# Altium PCB HIVE_BOARD_PCB ASCII REV Project_PCB_Rev.Project_SCH_Rev.PcbDoc (part 9 of 9)
Units mm, origin at the board's own origin, x right, y up, seen from the top; angles counter-clockwise.
Board outline 110 x 110 mm, 8 copper layers (Top, GND_1, Signal_1, GND_2, PWR, Signal_2, GND_3, Bottom), stack 1.6 mm thick; 674 components, 473 nets, 2528 pads, 2100 vias.
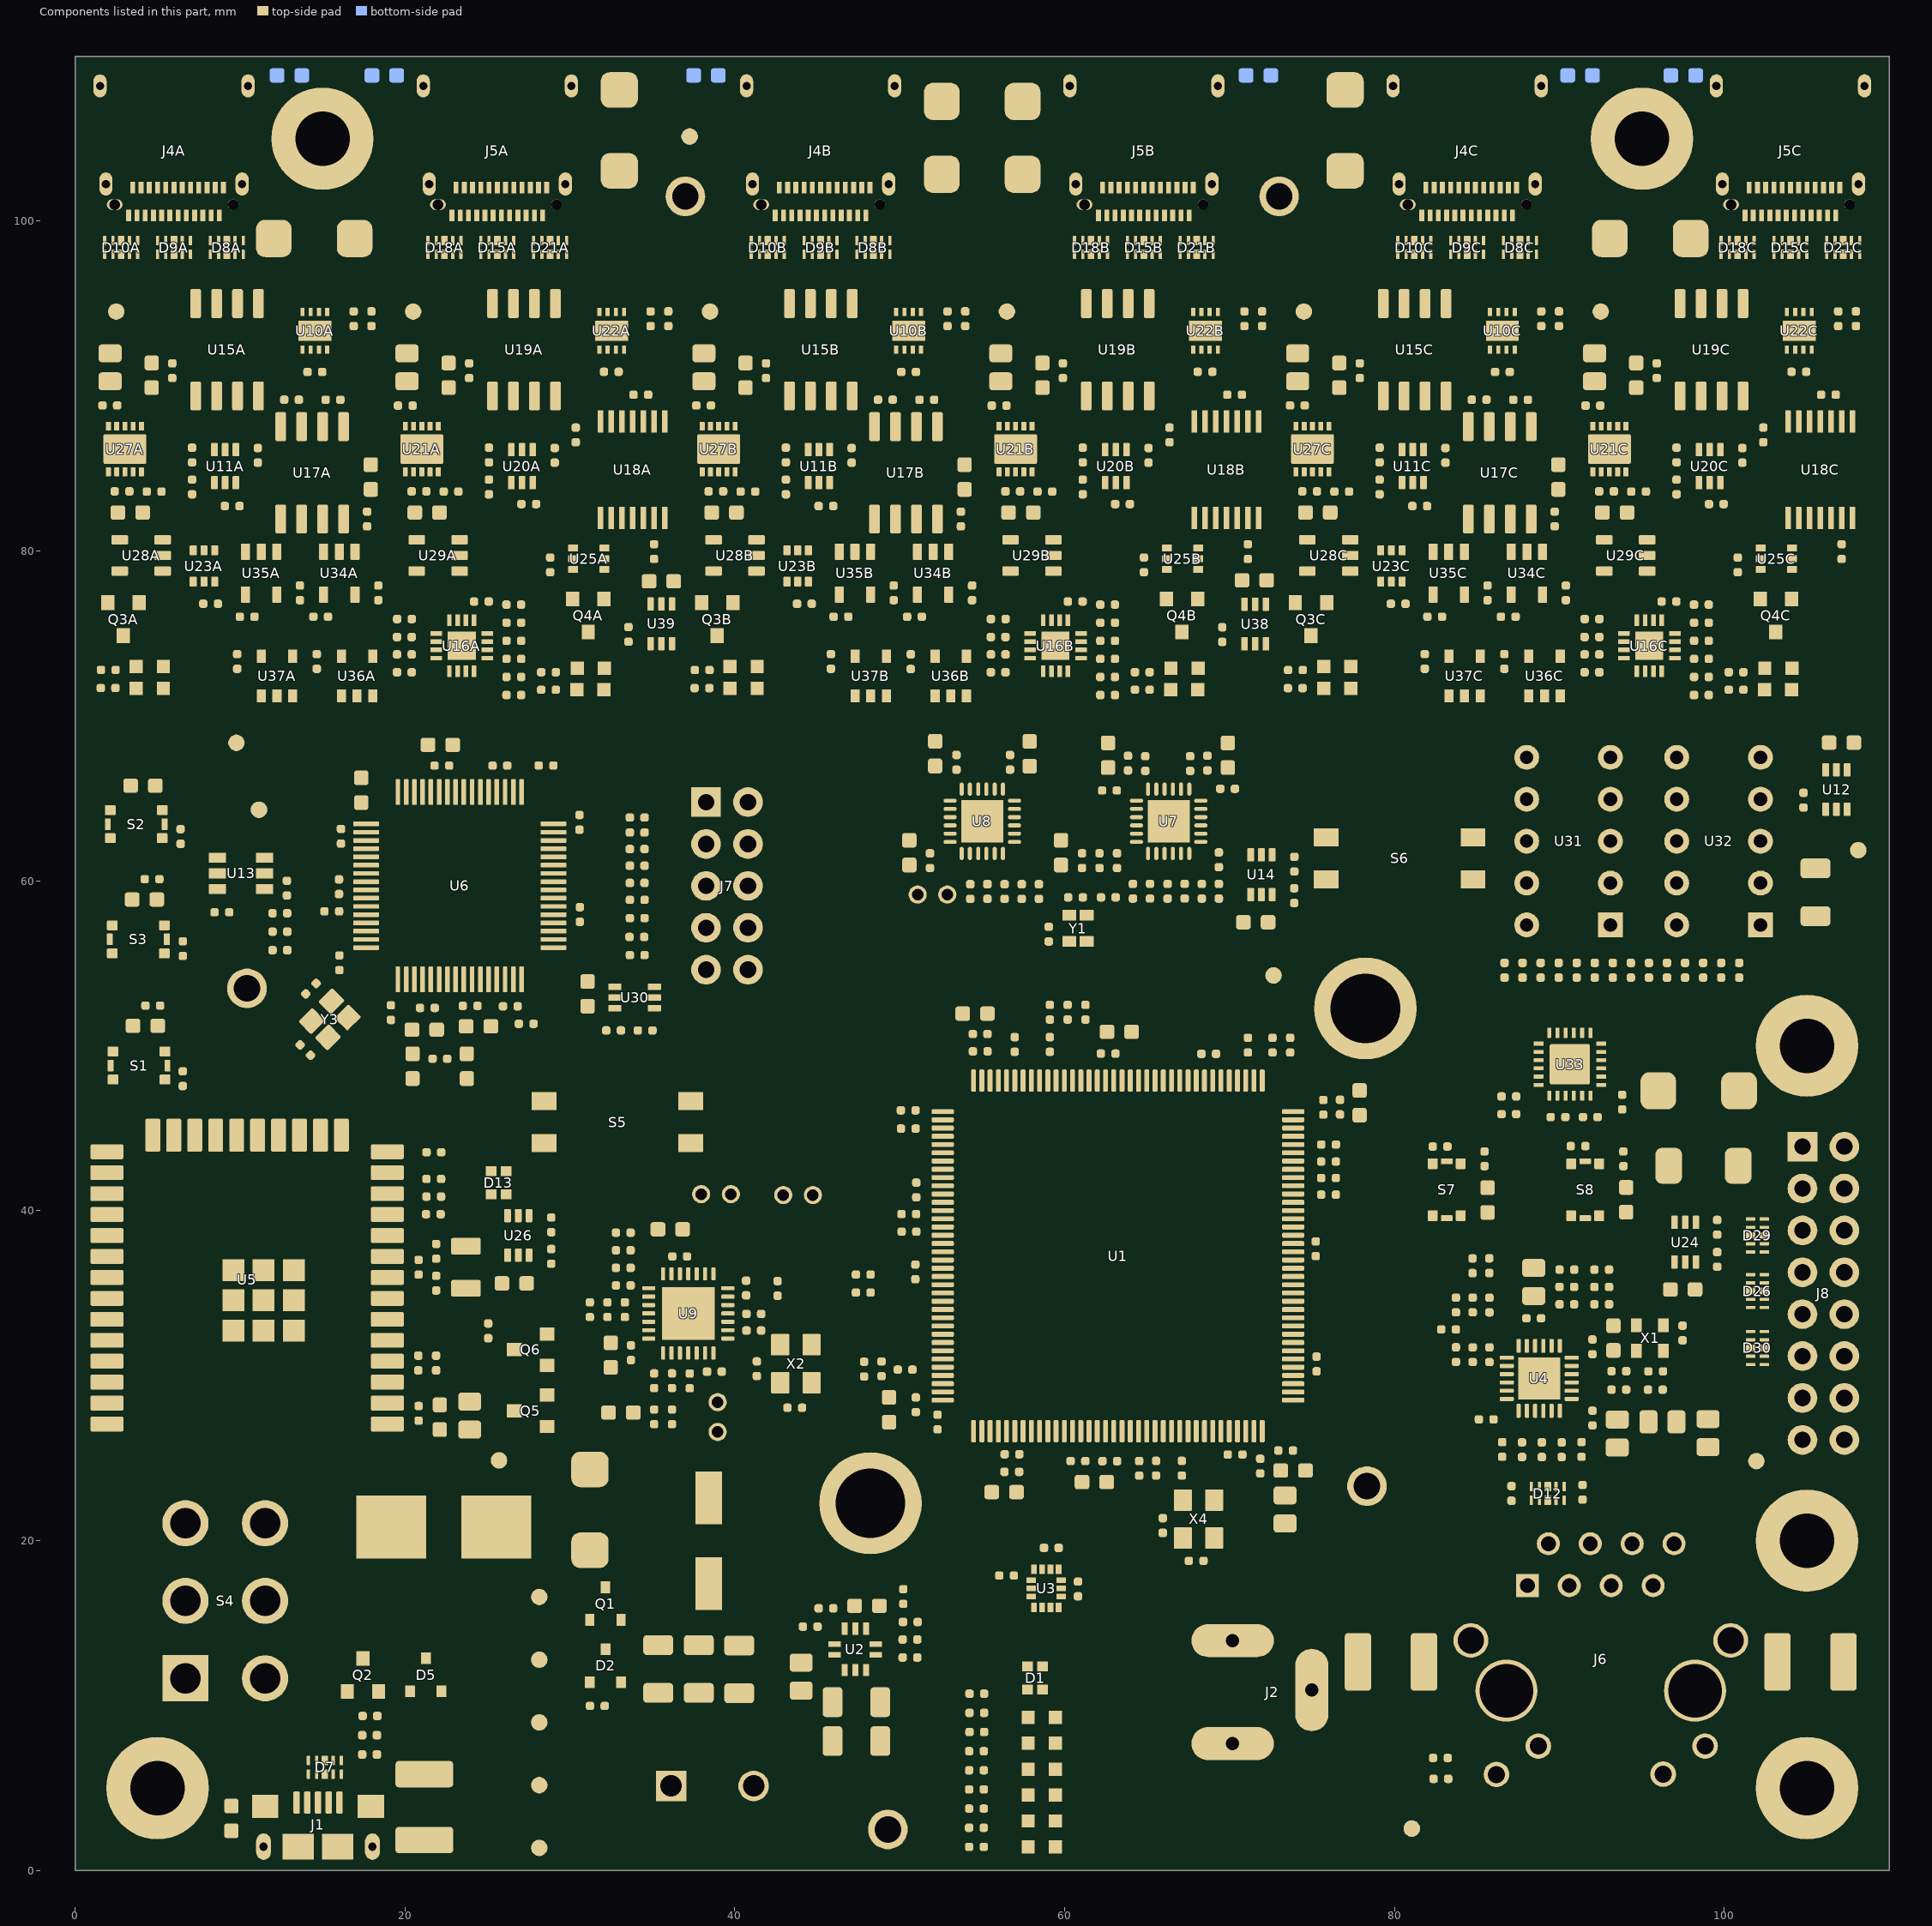
[diagram p15: the components of this part, seen from the top]

## Polygon pours and split planes (outlines as drawn) (continued)
GND on Top "NONET_L-01_P-001" (solid, pour order 659): 70.455,68.938 67.323,68.938 67.323,67.158 69.084,67.158 69.406,67.479 70.455,67.479
3V3_CL on Top "NONET_L-01_P-001" (solid, pour order 658): 67.304,65.109 69.889,65.109 69.889,66.015 71.167,66.015 71.167,67.361 69.561,67.361 69.228,67.028 67.304,67.028 67.304,66.088
GND on Top "NONET_L-01_P-001" (solid, pour order 653): 62.153,68.938 65.285,68.938 65.285,67.158 63.524,67.158 63.202,67.479 62.153,67.479
3V3_CL on Top "NONET_L-01_P-001" (solid, pour order 652): 65.303,65.109 62.719,65.109 62.719,66.015 61.441,66.015 61.441,67.361 63.047,67.361 63.379,67.028 65.303,67.028 65.303,66.088
3V3 on Top "NONET_L-01_P-001" (solid, pour order 650): 71.398,21.677 74.19,21.677 74.19,19.426 71.398,19.426
GND on Top "NONET_L-01_P-001" (solid, pour order 649): 57.359,14.924 57.359,16.316 59.371,16.316 59.371,14.924
GND on Top "NONET_L-01_P-001" (solid, pour order 648): 59.468,17.811 59.97,17.811 59.97,18.616 61.245,18.616 61.245,17.096 60.594,17.096 60.392,16.894 59.468,16.894
3V3 on Top "Top-3V3" (solid, pour order 647): 47.701,6.71 52.249,2.162 54.582,2.162 54.582,7.332 52.818,9.096 52.818,13.076 52.818,15.615 50.63,15.615 50.63,12.501 49.834,12.501 49.727,12.566 47.701,12.566
GND on Top "NONET_L-01_P-001" (solid, pour order 644): 34.305,11.569 46.406,11.569 46.406,12.566 47.542,12.566 47.542,6.762 44.114,6.762 41.738,9.139 34.305,9.139
GND on Top "NONET_L-01_P-001" (solid, pour order 637): 70.449,21 68.343,21 68.343,23.254 70.449,23.254
GND on Top "NONET_L-01_P-001" (solid, pour order 636): 70.282,28.053 70.282,25.095 70.612,24.765 70.612,23.956 71.221,23.956 71.221,28.053
3V3 on Top "NONET_L-01_P-001" (solid, pour order 635): 69.751,27.361 69.751,25.75 69.465,25.464 69.465,24.614 70.116,23.963 70.514,23.963 70.514,24.66 70.18,24.994 70.18,27.37
3V3 on Top "NONET_L-01_P-001" (solid, pour order 634): 65.508,20.893 67.884,20.893 67.884,18.377 65.508,18.377
3V3 on Top "NONET_L-01_P-001" (solid, pour order 633): 63.258,27.381 63.258,25.853 62.868,25.464 62.868,24.536 63.703,24.536 63.703,27.381
GND on Top "NONET_L-01_P-001" (solid, pour order 632): 60.833,27.808 60.833,24.414 61.711,24.414 61.711,22.254 63.217,22.254 63.192,24.414 62.771,24.414 62.771,25.535 63.17,25.933 63.17,27.808
GND on Top "NONET_L-01_P-001" (solid, pour order 631): 56.755,27.35 56.755,26.162 54.991,24.398 54.991,22.319 56.16,22.319 56.16,23.509 56.667,24.016 56.667,25.324 57.256,25.912 57.256,27.35
3V3 on Top "NONET_L-01_P-001" (solid, pour order 630): 58.167,27.35 58.167,22.326 56.35,22.326 56.35,23.377 56.794,23.822 56.794,25.282 57.256,25.743 57.256,27.35
3V3 on Top "NONET_L-01_P-001" (solid, pour order 628): 60.258,27.381 60.258,25.582 59.868,25.193 59.868,22.844 61.602,22.844 61.602,24.283 60.731,24.283 60.731,27.381
VDDA on Top "NONET_L-01_P-001" (solid, pour order 626): 74.244,21.998 74.244,23.224 73.833,23.635 73.833,24.615 73.391,25.058 73.391,27.525 71.77,27.525 71.77,25.39 72.268,25.39 72.268,24.556 71.352,24.556 71.352,21.998
3V3 on Top "NONET_L-01_P-001" (solid, pour order 625): 106.47,64.862 106.47,62.28 104.343,62.28 104.343,64.862
GND on Top "NONET_L-01_P-001" (solid, pour order 624): 107.099,66.198 107.099,69.718 105.492,69.718 105.492,67.741 105.977,67.741 106.487,67.231 106.487,66.198
3V3_CH on Top "NONET_L-01_P-001" (solid, pour order 623): 107.185,65.472 107.185,69.728 108.582,69.728 108.582,65.472
GND on Top "NONET_L-01_P-001" (solid, pour order 620): 94.902,48.426 97.766,48.426 97.766,45.414 94.902,45.414
GND on Top "NONET_L-01_P-001" (solid, pour order 568): 79.193,109.258 79.193,106.162 75.736,106.162 75.736,109.258
3V3 on Top "NONET_L-01_P-001" (solid, pour order 619): 102.629,42.82 102.629,41.579 98.866,41.579 98.866,45.263 105.978,45.263 105.978,42.82
GND on Top "NONET_L-01_P-001" (solid, pour order 616): 72.448,30.721 77.073,30.721 77.073,29.83 74.65,29.83 74.65,30.291 72.453,30.291
3V3 on Top "NONET_L-01_P-001" (solid, pour order 615): 73.142,30.836 76.35,30.836 76.35,32.279 74.65,32.279 74.65,31.237 73.146,31.237
GND on Top "NONET_L-01_P-001" (solid, pour order 613): 73.141,37.721 76.35,37.721 76.35,36.25 74.65,36.25 74.65,37.291 73.146,37.291
3V3 on Top "NONET_L-01_P-001" (solid, pour order 612): 73.141,37.807 76.35,37.807 76.35,39.279 74.65,39.279 74.65,38.237 73.146,38.237
GND on Top "NONET_L-01_P-001" (solid, pour order 610): 75.338,48.19 75.338,46.431 78.531,46.431 78.531,48.19
3V3 on Top "NONET_L-01_P-001" (solid, pour order 609): 97.937,38.77 97.937,41.352 100.065,41.352 100.065,38.77
GND on Top "NONET_L-01_P-001" (solid, pour order 608): 97.308,37.434 97.308,33.913 98.915,33.913 98.915,35.891 98.43,35.891 97.92,36.401 97.92,37.434
3V3_ETH on Top "NONET_L-01_P-001" (solid, pour order 607): 97.223,38.159 97.223,33.903 95.825,33.903 95.825,38.159
GND on Top "NONET_L-01_P-001" (solid, pour order 606): 93.777,33.537 93.777,32.592 92.715,32.592 92.715,31.915 90.915,31.914 90.915,33.537
3V3_ETH on Top "NONET_L-01_P-001" (solid, pour order 605): 88.757,31.275 88.757,32.98 88.439,33.299 88.439,33.947 86.879,33.947 86.879,36 89.442,36 89.442,32.542 89.253,32.353 89.253,31.275
GND on Top "NONET_L-01_P-001" (solid, pour order 604): 100.813,26.314 100.813,25.306 100.813,24.311 98.128,24.311 98.128,26.314 99.499,26.314
3V3_ETH on Top "NONET_L-01_P-001" (solid, pour order 603): 101.747,28.353 96.474,28.353 96.474,26.416 101.747,26.416
GND on Top "NONET_L-01_P-001" (solid, pour order 602): 94.099,32.576 95.043,32.576 95.043,33.254 95.721,33.254 95.721,34.199 94.099,34.199
3V3_ETH on Top "NONET_L-01_P-001" (solid, pour order 600): 95.842,32.044 95.842,29.965 97.582,29.965 97.582,31.414 96.952,32.044
GND on Top "NONET_L-01_P-001" (solid, pour order 599): 91.701,27.28 91.701,25.51 90.914,25.51 90.914,24.429 94.466,24.429 94.466,26.518 93.015,26.518 92.253,27.28
3V3_PHY on Top "NONET_L-01_P-001" (solid, pour order 598): 93.04,26.619 92.278,27.381 91.59,27.381 91.59,26.738 90.217,26.738 90.217,28.77 91.147,28.77 91.618,28.299 95.977,28.299 95.977,26.619
NetC54_2 on Top "NONET_L-01_P-001" (solid, pour order 597): 90.3,30.959 93.872,30.959 93.872,31.984 92.658,31.984 92.437,31.762 90.3,31.762
3V3_PHY on Top "NONET_L-01_P-001" (solid, pour order 596): 87.681,28.397 85.523,28.396 85.523,26.888 87.131,26.888 87.681,27.438
3V3_CH on Top "NONET_L-01_P-001" (solid, pour order 595): 57.989,90.818 61.368,90.818 61.919,90.267 61.919,87.53 59.771,87.53 57.989,89.312
3V3_CH on Top "NONET_L-01_P-001" (solid, pour order 592): 93.987,90.82 97.366,90.82 97.917,90.269 97.917,87.532 95.769,87.532 93.987,89.314
3V3_CH on Top "NONET_L-01_P-001" (solid, pour order 590): 39.987,90.82 43.366,90.82 43.917,90.269 43.917,87.532 41.769,87.532 39.987,89.314
3V3_CH on Top "NONET_L-01_P-001" (solid, pour order 589): 3.987,90.82 7.366,90.82 7.917,90.269 7.917,87.532 5.769,87.532 3.987,89.314
3V3_CH on Top "NONET_L-01_P-001" (solid, pour order 584): 21.987,90.82 25.366,90.82 25.917,90.269 25.917,87.532 23.769,87.532 21.987,89.314
GND on Top "NONET_L-01_P-001" (solid, pour order 581): 103.543,92.583 108.621,92.583 108.621,94.082 103.543,94.082
GND on Top "NONET_L-01_P-001" (solid, pour order 579): 85.543,92.583 90.621,92.583 90.621,94.082 85.543,94.082
GND on Top "NONET_L-01_P-001" (solid, pour order 578): 93.984,90.858 96.831,90.858 96.831,91.469 95.505,92.795 93.984,92.795
3V3_CH on Top "NONET_L-01_P-001" (solid, pour order 576): 102.549,88.805 104.173,88.805 104.173,87.039 101.905,87.039 101.905,88.161
GND on Top "NONET_L-01_P-001" (solid, pour order 575): 75.982,90.86 78.829,90.86 78.829,91.471 77.503,92.797 75.982,92.797
3V3_CH on Top "NONET_L-01_P-001" (solid, pour order 573): 87.873,81.017 88.736,81.017 88.736,81.956 90.509,81.956 90.509,84.204 88.882,84.204 87.873,83.195
BB_VIN_1C on Top "NONET_L-01_P-001" (solid, pour order 572): 91.233,87.198 92.743,87.198 92.743,88.374 92.108,88.374 92.108,89.274 93.571,89.274 93.571,91.136 91.233,91.136
5V on Top "NONET_L-01_P-001" (solid, pour order 571): 92.743,85.166 92.743,83.538 93.348,82.934 93.348,81.286 92.057,81.286 92.057,80.3 93.041,79.316 93.563,79.316 93.563,78.231 91.223,78.231 91.223,85.166
5V on Top "NONET_L-01_P-001" (solid, pour order 570): 74.743,85.166 74.743,83.538 75.348,82.934 75.348,81.286 74.057,81.286 74.057,80.3 75.041,79.316 75.404,79.316 75.404,78.231 73.223,78.231 73.223,85.166
BB_VIN_0C on Top "NONET_L-01_P-001" (solid, pour order 569): 73.233,87.198 74.743,87.198 74.743,88.374 74.108,88.374 74.108,89.274 75.699,89.274 75.699,91.136 73.233,91.136
BB_VIN_0C on Top "NONET_L-01_P-001" (solid, pour order 567): 78.881,104.366 78.881,101.27 75.75,101.27 75.75,104.366
GND on Top "NONET_L-01_P-001" (solid, pour order 566): 91.861,97.196 94.957,97.196 94.957,100.327 91.861,100.327
BB_VIN_1C on Top "NONET_L-01_P-001" (solid, pour order 565): 96.3,97.196 99.144,97.196 99.144,100.327 96.3,100.327
GND on Top "NONET_L-01_P-001" (solid, pour order 564): 107,97.689 107,99.535 106.535,100 106.535,101.423 106.755,101.643 106.755,103.146 107.576,103.146 107.576,99.993 107.576,97.689
GND on Top "NONET_L-01_P-001" (solid, pour order 563): 100.433,97.645 101.513,97.645 101.513,100.78 101.684,100.951 101.684,103.114 100.433,103.114 100.433,101.494 100.433,100.465
GND on Top "NONET_L-01_P-001" (solid, pour order 562): 80.833,97.645 81.913,97.645 81.913,100.78 82.084,100.951 82.084,103.114 80.833,103.114 80.833,101.494 80.833,100.465
GND on Top "NONET_L-01_P-001" (solid, pour order 561): 87.4,97.689 87.4,99.535 86.935,100 86.935,101.423 87.155,101.643 87.155,103.146 87.976,103.146 87.976,99.993 87.976,97.689
BB_VIN_0C on Top "NONET_L-01_P-001" (solid, pour order 560): 86.764,101.575 86.147,101.575 86.147,102.54 85.65,102.54 85.639,101.494 85.4,101.494 85.4,99.898 85.887,99.898 85.887,100.838 86.764,100.838
BB_VIN_0C on Top "NONET_L-01_P-001" (solid, pour order 559): 82.21,101.575 83.15,101.575 83.15,102.54 83.65,102.54 83.65,100.838 83.4,100.838 83.4,99.898 82.913,99.898 82.913,100.838 82.21,100.838
BB_VIN_1C on Top "NONET_L-01_P-001" (solid, pour order 558): 106.364,101.575 105.747,101.575 105.747,102.54 105.25,102.54 105.239,101.494 105,101.494 105,99.898 105.487,99.898 105.487,100.838 106.364,100.838
BB_VIN_1C on Top "NONET_L-01_P-001" (solid, pour order 557): 101.843,101.575 102.75,101.575 102.75,102.54 103.25,102.54 103.25,100.838 103,100.838 103,99.898 102.513,99.898 102.513,100.838 101.843,100.838
GND on Top "NONET_L-01_P-001" (solid, pour order 554): 55.566,104.028 55.566,100.933 58.697,100.933 58.697,104.028
GND on Top "NONET_L-01_P-001" (solid, pour order 553): 51.36,105.373 54.456,105.373 54.456,108.504 51.36,108.504
BB_VIN_1B on Top "NONET_L-01_P-001" (solid, pour order 551): 56.26,105.373 59.356,105.373 59.356,108.504 56.26,108.504
BB_VIN_0B on Top "NONET_L-01_P-001" (solid, pour order 550): 50.666,104.028 50.666,100.933 53.797,100.933 53.797,104.028
GND on Top "NONET_L-01_P-001" (solid, pour order 548): 67.543,92.583 72.621,92.583 72.621,94.082 67.543,94.082
GND on Top "NONET_L-01_P-001" (solid, pour order 546): 49.543,92.583 54.621,92.583 54.621,94.082 49.543,94.082
GND on Top "NONET_L-01_P-001" (solid, pour order 545): 57.984,90.858 60.831,90.858 60.831,91.469 59.505,92.795 57.984,92.795
3V3_CH on Top "NONET_L-01_P-001" (solid, pour order 543): 66.549,88.805 68.173,88.805 68.173,87.039 65.905,87.039 65.905,88.161
GND on Top "NONET_L-01_P-001" (solid, pour order 542): 39.982,90.86 42.829,90.86 42.829,91.471 41.503,92.797 39.982,92.797
3V3_CH on Top "NONET_L-01_P-001" (solid, pour order 540): 51.873,81.017 52.736,81.017 52.736,81.956 54.509,81.956 54.509,84.204 52.882,84.204 51.873,83.195
BB_VIN_1B on Top "NONET_L-01_P-001" (solid, pour order 539): 55.233,87.198 56.743,87.198 56.743,88.374 56.108,88.374 56.108,89.274 57.571,89.274 57.571,91.136 55.233,91.136
5V on Top "NONET_L-01_P-001" (solid, pour order 538): 56.743,85.166 56.743,83.538 57.348,82.934 57.348,81.286 56.057,81.286 56.057,80.3 57.041,79.316 57.563,79.316 57.563,78.231 55.223,78.231 55.223,85.166
5V on Top "NONET_L-01_P-001" (solid, pour order 537): 38.743,85.166 38.743,83.538 39.348,82.934 39.348,81.286 38.057,81.286 38.057,80.3 39.041,79.316 39.404,79.316 39.404,78.231 37.223,78.231 37.223,85.166
BB_VIN_0B on Top "NONET_L-01_P-001" (solid, pour order 536): 37.233,87.198 38.743,87.198 38.743,88.374 38.108,88.374 38.108,89.274 39.699,89.274 39.699,91.136 37.233,91.136
GND on Top "NONET_L-01_P-001" (solid, pour order 535): 9,97.688 9,99.534 8.534,100 8.534,101.423 8.755,101.643 8.755,103.146 9.576,103.146 9.576,99.992 9.576,97.688
GND on Top "NONET_L-01_P-001" (solid, pour order 534): 28.6,97.688 28.6,99.534 28.134,100 28.134,101.423 28.355,101.643 28.355,103.146 29.176,103.146 29.176,99.992 29.176,97.688
GND on Top "NONET_L-01_P-001" (solid, pour order 533): 67.8,97.689 67.8,99.535 67.335,100 67.335,101.423 67.555,101.644 67.555,103.146 68.376,103.146 68.376,99.993 68.376,97.689
GND on Top "NONET_L-01_P-001" (solid, pour order 532): 61.233,97.645 62.313,97.645 62.313,100.781 62.483,100.951 62.483,103.114 61.233,103.114 61.233,101.494 61.233,100.465
GND on Top "NONET_L-01_P-001" (solid, pour order 531): 41.633,97.645 42.713,97.645 42.713,100.781 42.883,100.951 42.883,103.114 41.633,103.114 41.633,101.494 41.633,100.465
GND on Top "NONET_L-01_P-001" (solid, pour order 530): 22.033,97.645 23.113,97.645 23.113,100.78 23.283,100.95 23.283,103.114 22.033,103.114 22.033,101.493 22.033,100.465
GND on Top "NONET_L-01_P-001" (solid, pour order 503): 2.433,97.645 3.513,97.645 3.513,100.78 3.683,100.95 3.683,103.114 2.433,103.114 2.433,101.493 2.433,100.465
BB_VIN_0B on Top "NONET_L-01_P-001" (solid, pour order 527): 47.564,101.575 46.947,101.575 46.947,102.54 46.45,102.54 46.439,101.494 46.2,101.494 46.2,99.899 46.687,99.899 46.687,100.838 47.564,100.838
BB_VIN_0B on Top "NONET_L-01_P-001" (solid, pour order 526): 43.01,101.575 43.95,101.575 43.95,102.54 44.45,102.54 44.45,100.838 44.2,100.838 44.2,99.899 43.713,99.899 43.713,100.838 43.01,100.838
BB_VIN_1B on Top "NONET_L-01_P-001" (solid, pour order 523): 67.164,101.575 66.547,101.575 66.547,102.54 66.05,102.54 66.039,101.494 65.8,101.494 65.8,99.899 66.287,99.899 66.287,100.838 67.164,100.838
BB_VIN_1B on Top "NONET_L-01_P-001" (solid, pour order 522): 62.643,101.575 63.55,101.575 63.55,102.54 64.05,102.54 64.05,100.838 63.8,100.838 63.8,99.899 63.313,99.899 63.313,100.838 62.643,100.838
GND on Top "NONET_L-01_P-001" (solid, pour order 482): 31.543,92.583 36.621,92.583 36.621,94.082 31.543,94.082
GND on Top "NONET_L-01_P-001" (solid, pour order 480): 13.543,92.583 18.621,92.583 18.621,94.082 13.543,94.082
GND on Top "NONET_L-01_P-001" (solid, pour order 479): 31.119,109.139 31.119,106.043 34.25,106.043 34.25,109.139
BB_VIN_1A on Top "NONET_L-01_P-001" (solid, pour order 478): 31.119,104.239 31.119,101.143 34.25,101.143 34.25,104.239
BB_VIN_1A on Top "NONET_L-01_P-001" (solid, pour order 473): 27.964,101.575 27.347,101.575 27.347,102.54 26.85,102.54 26.839,101.493 26.6,101.493 26.6,99.898 27.086,99.898 27.086,100.838 27.964,100.838
BB_VIN_1A on Top "NONET_L-01_P-001" (solid, pour order 472): 23.443,101.575 24.35,101.575 24.35,102.54 24.85,102.54 24.85,100.838 24.6,100.838 24.6,99.898 24.113,99.898 24.113,100.838 23.443,100.838
BB_VIN_0A on Top "NONET_L-01_P-001" (solid, pour order 469): 8.364,101.575 7.747,101.575 7.747,102.54 7.25,102.54 7.239,101.493 7,101.493 7,99.898 7.486,99.898 7.486,100.838 8.364,100.838
BB_VIN_0A on Top "NONET_L-01_P-001" (solid, pour order 468): 3.81,101.575 4.75,101.575 4.75,102.54 5.25,102.54 5.25,100.838 5,100.838 5,99.898 4.513,99.898 4.513,100.838 3.81,100.838
GND on Top "NONET_L-01_P-001" (solid, pour order 467): 21.984,90.858 24.831,90.858 24.831,91.469 23.505,92.795 21.984,92.795
3V3_CH on Top "NONET_L-01_P-001" (solid, pour order 465): 30.549,88.805 32.173,88.805 32.173,87.039 29.905,87.039 29.905,88.161
GND on Top "NONET_L-01_P-001" (solid, pour order 464): 3.982,90.86 6.829,90.86 6.829,91.471 5.503,92.797 3.982,92.797
3V3_CH on Top "NONET_L-01_P-001" (solid, pour order 462): 15.873,81.017 16.736,81.017 16.736,81.956 18.509,81.956 18.509,84.204 16.882,84.204 15.873,83.195
BB_VIN_1A on Top "NONET_L-01_P-001" (solid, pour order 461): 19.233,87.198 20.743,87.198 20.743,88.374 20.108,88.374 20.108,89.274 21.571,89.274 21.571,91.136 19.233,91.136
5V on Top "NONET_L-01_P-001" (solid, pour order 460): 20.743,85.166 20.743,83.538 21.348,82.934 21.348,81.286 20.057,81.286 20.057,80.3 21.041,79.316 21.563,79.316 21.563,78.231 19.223,78.231 19.223,85.166
5V on Top "NONET_L-01_P-001" (solid, pour order 459): 2.743,85.166 2.743,83.538 3.348,82.934 3.348,81.286 2.057,81.286 2.057,80.3 3.041,79.316 3.404,79.316 3.404,78.231 1.223,78.231 1.223,85.166
BB_VIN_0A on Top "NONET_L-01_P-001" (solid, pour order 458): 1.314,87.198 2.743,87.198 2.743,88.374 2.108,88.374 2.108,89.274 3.699,89.274 3.699,91.136 1.314,91.136
GND on Bottom "Bottom-5V" (solid, remove dead copper, pour order 781): 97.022,108.228 94.512,108.228 94.512,109.348 97.022,109.348
GND on Bottom "Bottom-5V" (solid, remove dead copper, pour order 780): 13.478,108.228 15.988,108.228 15.988,109.348 13.478,109.348
GND on Bottom "Bottom-5V" (solid, remove dead copper, pour order 779): 16.836,109.354 16.836,107.628 18.516,107.628 18.516,109.354
GND on Bottom "Bottom-5V" (solid, remove dead copper, pour order 778): 36.336,109.354 36.336,107.628 38.016,107.628 38.016,109.354
GND on Bottom "Bottom-5V" (solid, remove dead copper, pour order 777): 73.664,109.354 73.664,107.628 71.984,107.628 71.984,109.354
GND on Bottom "Bottom-5V" (solid, remove dead copper, pour order 776): 93.164,109.354 93.164,107.628 91.484,107.628 91.484,109.354
NetJ5C_1 on Bottom "Bottom-5V" (solid, remove dead copper, pour order 775): 109.424,109.4 109.424,101.993 97.373,101.993 97.373,109.4
NetJ4C_1 on Bottom "Bottom-5V" (solid, remove dead copper, pour order 774): 91.189,109.4 91.189,101.993 79.106,101.993 79.106,109.4
NetJ5B_1 on Bottom "Bottom-5V" (solid, remove dead copper, pour order 773): 71.7,109.4 71.7,101.993 59.506,101.993 59.506,109.4
NetJ4B_1 on Bottom "Bottom-5V" (solid, remove dead copper, pour order 772): 50.624,109.4 50.624,101.993 38.306,101.993 38.306,109.4
NetJ5A_1 on Bottom "Bottom-5V" (solid, remove dead copper, pour order 771): 31.024,109.4 31.024,101.993 18.875,101.992 18.875,109.4
NetJ4A_1 on Bottom "Bottom-5V" (solid, remove dead copper, pour order 770): 13.123,109.4 13.123,101.993 0.706,101.992 0.706,109.4
NetF1_1 on Bottom "NONET_L-01_P-001" (solid, pour order 751): 3.712,19.527 13.183,19.527 16.676,23.02 22.241,23.02 22.241,13.23 3.712,13.23
5V_USB on Bottom "NONET_L-01_P-001" (solid, pour order 753): 10.326,2.622 14.787,2.622 14.787,6.121 9.818,10.714 9.818,12.154 3.755,12.154 3.755,8.681 6.307,8.681 10.326,4.663
5V on Bottom "Bottom-5V" (solid, remove dead copper, pour order 749): 0.592,24.493 0.516,100.092 9.133,100.092 9.133,90.913 9.133,24.493
5V on Bottom "Bottom-5V 1" (solid, pour order 748): 109.603,42.391 109.657,96.749 95.521,96.749 95.521,89.894 103.888,89.894 103.888,81.198 98.051,75.361 98.051,42.391
VCAP on Bottom "NONET_L-01_P-001" (solid, pour order 734): 49.842,26.335 49.842,33.085 55.029,33.085 55.029,51.398 57.208,51.398 58.615,49.991 58.615,44.82 75.812,44.82 75.812,42.522 71.105,42.522 71.105,26.38
NetD3_1 on Bottom "NONET_L-01_P-001" (solid, pour order 642): 22.533,22.888 28.225,22.888 29.251,21.862 31.871,21.862 31.871,16.207 23.611,16.207 22.533,17.285
BB_VIN_1C on Signal_2 "NONET_L-01_P-001" (solid, pour order 594): 107.197,87.231 107.197,104.767 91,104.767 91,87.231 98.407,87.231 95.413,87.231
5V_CONN on Signal_2 "NONET_L-01_P-001" (solid, pour order 763): 58.657,16.207 53.937,11.488 31.547,11.488 19.092,23.943 2.551,23.943 2.551,12.524 14.37,0.705 76.596,0.705 80.28,4.389 80.28,16.207 69.486,16.207
5V on Signal_2 "NONET_L-01_P-001" (solid, pour order 761): 46.209,11.911 31.772,11.911 19.189,24.495 0.689,24.495 0.689,38.651 40.649,38.651 46.017,33.282
VREGOUT_1V8 on Signal_2 "NONET_L-01_P-001" (solid, pour order 733): 27.486,52.4 16.03,52.4 16.03,68.151 27.486,68.151
BB_VIN_0C on Signal_2 "NONET_L-01_P-001" (solid, pour order 593): 79.493,87.231 87.259,87.231 87.259,104.767 73,104.767 73,87.231 80.407,87.231
BB_VIN_1B on Signal_2 "NONET_L-01_P-001" (solid, pour order 556): 69.259,87.231 69.259,108.631 55,108.631 55,87.231 62.407,87.231 59.413,87.231
BB_VIN_0A on Signal_2 "NONET_L-01_P-001" (solid, pour order 486): 1.395,103.8 1.395,96.729 1.395,87.231 5.207,87.231 13.67,87.231 13.67,103.8
BB_VIN_0B on Signal_2 "NONET_L-01_P-001" (solid, pour order 555): 37,108.631 37,96.627 37,87.231 44.407,87.231 53.78,87.231 53.78,108.631
BB_VIN_1A on Signal_2 "NONET_L-01_P-001" (solid, pour order 487): 18.974,105.254 18.974,96.749 18.974,87.231 23.241,87.231 34.25,87.231 34.25,105.254
5V_CONN on Signal_1 "NONET_L-01_P-001" (solid, remove dead copper, pour order 762): 24.904,18.009 18.983,23.93 2.786,23.93 2.786,12.165 14.246,0.705 76.596,0.705 80.28,4.389 80.28,18.008
GND on GND_1 (split plane): 58 vertices, not listed, extent 0.51,0.51 109.49,109.49
ETH_GND on GND_1 (split plane): 22 vertices, not listed, extent 80.86,10.239 104.077,16.272
GND on GND_2 (split plane): 58 vertices, not listed, extent 0.51,0.51 109.49,109.49
ETH_GND on GND_2 (split plane): 22 vertices, not listed, extent 80.86,10.239 104.077,16.272
5V_CONN on PWR (split plane): 23 vertices, not listed, extent 0.51,0.51 78.882,23.628
3V3 on PWR (split plane): 169 vertices, not listed, extent 6.176,10.815 109.49,80.048
3V3_DEB on PWR (split plane): 34.345,53.7 26.799,46.154 19.46,46.154 6.176,59.438 6.176,67.439 34.345,67.439
3V3_CH on PWR (split plane): 209 vertices, not listed, extent 6.176,65.434 109.49,96.07
5V on PWR (split plane): 162 vertices, not listed, extent 0.51,12.018 109.49,109.49
ETH_GND on PWR (split plane): 22 vertices, not listed, extent 80.86,10.239 104.077,16.272
3V3_ETH on PWR (split plane): 47 vertices, not listed, extent 82.036,0.51 109.49,38.159
3V3_WR on PWR (split plane): 26.598,28.677 20.485,28.677 20.076,29.086 20.076,45.65 26.598,45.65
3V3_PHY on PWR (split plane): 95.692,16.776 87.705,16.776 86.498,17.982 86.4,18.069 86.291,18.142 86.173,18.2 86.049,18.242 85.921,18.267 85.79,18.276 82.036,18.276 82.036,29.589 95.692,29.589
3V3_CL on PWR (split plane): 71.642,52.856 37.875,52.856 36.957,53.774 36.904,53.814 36.844,53.84 36.778,53.848 34.86,53.848 34.86,54.139 34.852,54.204 34.849,54.21 34.849,67.439 71.642,67.439
GND on GND_3 (split plane): 63 vertices, not listed, extent 0.51,0.51 109.49,109.49
ETH_GND on GND_3 (split plane): 22 vertices, not listed, extent 80.86,10.239 104.077,16.272

## Keep-outs
Keep-Out Layer:
  lines w0.254: 0.059,0.011 0.059,53.859

## Other copper
Top:
  text "1" at 74.953,19.565 h1
Signal_1:
  text "3" at 76.898,19.565 h1
Signal_2:
  text "6" at 80.375,19.565 h1
Bottom:
  text "8" at 82.694,19.565 h1
GND_1 (plane layer: these items are gaps in the copper):
  rectangle: 78.882,-0.02 106.079,9.953
  lines w1.016: 0,0 0,110 110,110 110,0 0,0
  lines w2: 79.858,9.299 79.858,15.773 ; 79.921,9.236 98.825,9.236 ; 79.921,15.773 81.421,17.274 85.79,17.274 87.29,15.773 96.285,15.773 97.375,16.864 105.079,16.864 105.079,9.236 98.542,9.236
  text "2" at 75.739,19.565 h1
GND_2 (plane layer: these items are gaps in the copper):
  rectangle: 78.882,-0.02 106.079,9.953
  lines w1.016: 0,0 0,110 110,110 110,0 0,0
  lines w2: 79.858,9.299 79.858,15.773 ; 79.921,9.236 98.825,9.236 ; 79.921,15.773 81.421,17.274 85.79,17.274 87.29,15.773 96.285,15.773 97.375,16.864 105.079,16.864 105.079,9.236 98.542,9.236
  text "4" at 78.036,19.565 h1
PWR (plane layer: these items are gaps in the copper):
  rectangle: 78.882,-0.02 106.079,9.953
  lines w0.5: 0.115,23.88 13.824,23.88 25.939,11.766 47.009,11.766 48.211,10.563 60.858,10.563 66.069,15.773 79.858,15.773 ; 5.933,67.691 34.597,67.691 ; 5.938,79.091 10.146,79.091 10.146,72.619 18.39,72.619 18.39,79.091 27.638,79.091 28.847,80.3 30.448,80.3 32.732,78.016 44.776,78.016 44.776,72.618 54.351,72.618 54.351,79.091 63.638,79.091 64.847,80.3 66.448,80.3 68.732,78.016 ; 19.824,45.744 19.824,28.981 20.381,28.424 26.851,28.424 ; 26.851,45.769 26.851,28.424 ; 34.608,54.139 34.608,53.596 36.778,53.596 37.771,52.603 71.894,52.603 71.894,67.691 34.597,67.691 ; 47.028,11.766 47.028,16.643 35.247,28.424 26.851,28.424 ; 67.656,79.091 68.732,78.016 ; 79.921,0 79.921,9.236 ; 81.784,17.311 81.784,35.786 84.409,38.411 91.853,38.411 97.694,38.411 98.837,37.269 98.837,35.21 101.574,32.472 103.634,32.472 110.06,32.472 ; 81.784,29.841 95.944,29.841 95.944,15.678 ; 110,65.754 109.428,65.182 103.656,65.182 103.656,75.326 103.656,79.091 102.448,80.3 100.847,80.3 99.638,79.091 90.351,79.091 90.351,72.618 ; 110,96.868 109.449,96.317 106.041,96.317 100.162,90.438 95.696,90.438 94.671,89.413 94.671,82.829 90.748,82.829 90.748,92.696 92.48,94.428 92.48,96.317 83.21,96.317 76.671,89.778 76.671,82.829 72.748,82.829 72.748,92.696 74.48,94.428 74.48,96.317 65.507,96.317 58.671,89.481 58.671,82.829 54.748,82.829 54.748,92.696 56.48,94.428 56.48,96.317 47.193,96.317 40.671,89.795 40.671,82.829 36.748,82.829 36.748,92.696 38.48,94.428 38.48,96.317 29.185,96.317 22.671,89.803 22.671,82.829 18.748,82.829 18.748,92.696 20.48,94.428 20.48,96.317 12.335,96.317 5.923,89.905 5.923,59.333 19.355,45.902 26.903,45.902 34.597,53.596 34.597,67.691 ; 68.732,78.016 80.776,78.016 80.776,72.618 ; 80.776,72.618 90.351,72.618 ; 80.776,72.618 90.351,72.618
  lines w1.016: 0,0 0,110 110,110 110,0 0,0
  lines w2: 79.858,15.773 79.858,9.299 79.921,9.236 98.825,9.236 ; 79.921,15.773 81.421,17.274 85.79,17.274 87.29,15.773 96.285,15.773 97.375,16.864 105.079,16.864 105.079,9.236 98.542,9.236
  text "5" at 79.216,19.565 h1
GND_3 (plane layer: these items are gaps in the copper):
  rectangle: 78.882,-0.02 106.079,9.953
  lines w1.016: 0,0 0,110 110,110 110,0 0,0
  lines w2: 79.858,9.299 79.858,15.773 ; 79.921,9.236 98.825,9.236 ; 79.921,15.773 81.421,17.274 85.79,17.274 87.29,15.773 96.285,15.773 97.375,16.864 105.079,16.864 ; 98.542,9.236 105.079,9.236 105.079,17.044
  text "7" at 81.551,19.565 h1

## Silkscreen, mask and mechanical layers (free items; w line width, h text height)
Top Overlay:
  text "1A" at 17.961,108 h1.4
  text "0B" at 37.327,108 h1.4
  text "1C" at 96.361,108 h1.4
  text "0A" at 11.203,107.95 h1.4
  text "1B" at 70.145,107.95 h1.4
  text "0C" at 89.603,107.95 h1.4
  text "GND TP" at 30.408,100.688 h0.8
  text "GND TP" at 74.762,100.642 h0.8
  text "a" at 17.262,100.417 h5
  text "a" at 89.219,100.403 h5
  text "NOT" at 35.013,97.183 h1.7
  text "ACTUAL" at 49.923,97.183 h1.7
  text "USB-C" at 68.808,97.183 h1.7
  text "a" at 30.662,96.067 h5
  text "VBB TP" at 3.358,92.951 h0.8
  text "VBB TP" at 39.33,92.94 h0.8
  text "VBB TP" at 75.308,92.941 h0.8
  text "VBB TP" at 21.376,92.893 h0.8
  text "VBB TP" at 93.345,92.86 h0.8
  text "VBB TP" at 57.281,92.848 h0.8
  text "0B / EN / FLT" at 42.139,70.663 h1.2
  text "0C / EN / FLT" at 78.156,70.663 h1.2
  text "0A / EN / FLT" at 6.121,70.637 h1.2
  text "1C / EN / FLT" at 104.99,70.574 h1.2
  text "EN / FLT" at 33.045,70.155 h1.2
  text "EN / FLT" at 68.99,70.155 h1.2
  text "1B" at 66.346,68.531 h1.2
  text "1A" at 30.306,68.381 h1.2
  text "3V3_DEB" at 11.221,67.783 h1.2
  text "USB PWR ENA" at 72.077,67.456 h1.2
  text "RESET  / BTNs" at 0.451,66.509 h1.2
  text "JTAG TP + JUMPERS" at 36.456,66.416 h1.2
  text "FTDI SIDE" at 35.154,65.554 h1.2 r270
  text "FTDI" at 0.549,65.282 h0.8 r270
  text "CHANNEL" at 75.836,65.201 h1.2
  text "NJTRTS" at 42.418,63.983 h1.2
  text "JTMS" at 42.281,61.544 h1.2
  text "3V3_CH" at 107.521,60.725 h1.2 r270
  text "JTDO" at 42.281,58.944 h1.2
  text "MCU" at 0.601,58.356 h0.8 r270
  text "EN" at 74.802,58.237 h0.8
  text "SYNC GND" at 46.592,56.96 h0.8
  text "JTDI" at 42.281,56.345 h1.2
  text "ETHERNET" at 74.857,56.214 h1.2
  text "JTCK" at 42.281,53.745 h1.2
  text "3V3_CL" at 64.648,53.699 h1.2
  text "WROOM" at 0.585,51.742 h0.8 r270
  text "GND TP" at 8.898,49.236 h0.8
  text "DEBBUG" at 29.161,48.689 h1.2
  text "EN" at 27.369,47.43 h0.8
  text "USB / PWR ENA" at 38.817,45.252 h1.2
  text "BTN_0" at 79.422,44.719 h1.2 r270
  text "IO EXP BTNs" at 78.943,44.628 h1.2
  text "BTN_1" at 87.614,43.544 h1.2 r270
  text "WROOM RGB" at 21.129,42.924 h1.2
  text "USB TP" at 35.355,42.069 h1.2
  text "WROOM" at 29.691,40.513 h1.2
  text "DEB STM" at 35.847,38.363 h1.2
  text "CON-OFF-USB" at 0.791,24.526 h1.52 r270
  text "3V3_WR" at 17.828,24.073 h1.2
  text "USB IN / TP" at 40.021,23.644 h1.2
  text "3V3_ETH" at 94.052,22.415 h1.2
  text "GND TP" at 80.573,22.117 h0.8
  text "5A Fuse" at 15.673,16.127 h1.2
  text "5V" at 24.888,15.69 h1.2
  text "MISC LED" at 54.512,13.12 h1.2
  text "3V3" at 23.709,12.642 h1.2
  text "RGB" at 60.056,10.561 h1.2
  text "HB" at 60.462,8.727 h1.2
  text "USB DET#" at 22.397,7.852 h1.2
  text "MCU0" at 60.462,7.092 h1.2
  text "-" at 32.665,6.669 h1.52 r180
  text "+" at 45.325,6.304 h1.52 r180
  text "MCU1" at 60.462,5.456 h1.2
  text "5V CON" at 23.45,4.013 h1.2
  text "MCU2" at 60.462,3.82 h1.2
  text "5V" at 30.711,3.125 h1.2
  text "5V" at 75.942,2.966 h1.2
  text "3V3" at 60.462,2.184 h1.2
  text "GND TP" at 44.896,1.349 h0.8
  text "IN" at 30.894,0.832 h1.2
  text "IN" at 76.125,0.673 h1.2
  text "5V" at 60.462,0.549 h1.2
  text "5V USB" at 23.551,0.074 h1.2
Bottom Overlay:
  region: 61.184,70.167 48.266,70.167 48.266,62.464 61.184,62.464
  text "2" at 47.755,85.973 h10
  text ".Project_Name" at 63.848,80.361 h2
  text "Revision .Project_Revision" at 64.178,78.051 h1.02
  text "Designed by: / .Project_Designer1 / .Project_Designer2 / .Project_Designer3" at 62.825,71.369 h0.91
  text "Serial #" at 61.13,59.807 h1
Board Outline:
  the board outline again, w0.254
Route Tool Path:
  lines w2.54: -1.27,0 ccw(c0,0) 0,-1.27 110,-1.27 ; 111.27,110 ccw(c110,110) 110,111.27 0,111.27 ; 0,111.27 ccw(c0,110) -1.27,110 cw(c0,110) 0,111.27 ; 110,-1.27 ccw(c110,0) 111.27,0 cw(c110,0) 110,-1.27
Channel locations:
  lines w0.1: 19,70.574 37,70.574 ; 19,70.574 1,70.574 1,96.868 19,96.868 ; 19,70.574 19,96.868 ; 19,96.868 37,96.868 ; 37,70.574 55,70.574 ; 37,70.574 37,96.868 ; 37,96.868 55,96.868 ; 55,70.574 73,70.574 ; 55,70.574 55,96.868 ; 55,96.868 73,96.868 ; 73,70.574 73,96.868 ; 73,70.574 91,70.574 ; 73,96.868 91,96.868 ; 91,70.574 91,96.868 ; 91,70.574 109,70.574 109,96.868 91,96.868

## Text inside footprints (layer, text, board x,y; h text height)
C147: Top Overlay "+" at 41.199,17.21 h1.52 r270
HS1: Top Assembly "Grounded M3 Mounting hole" at 53.824,20.329 h1; Top Assembly "Grounded M3 Mounting hole" at 59.663,51.005 h1
J1: Top Assembly "Board Edge" at 11.83,-0.952 h0.6
J4A: Top Assembly "A12" at 3.079,100.873 h0.51 r180; Top Assembly "B1" at 2.952,103.284 h0.51 r180; Top Assembly "B12" at 10.17,103.167 h0.51 r180; Top Assembly "A1" at 10.064,100.873 h0.51 r180
J4B: Top Assembly "A12" at 42.279,100.873 h0.51 r180; Top Assembly "B1" at 42.152,103.285 h0.51 r180; Top Assembly "B12" at 49.37,103.168 h0.51 r180; Top Assembly "A1" at 49.264,100.873 h0.51 r180
J4C: Top Assembly "A12" at 81.479,100.873 h0.51 r180; Top Assembly "B1" at 81.352,103.284 h0.51 r180; Top Assembly "B12" at 88.57,103.168 h0.51 r180; Top Assembly "A1" at 88.464,100.873 h0.51 r180
J5A: Top Assembly "A12" at 22.679,100.873 h0.51 r180; Top Assembly "B1" at 22.552,103.284 h0.51 r180; Top Assembly "B12" at 29.77,103.167 h0.51 r180; Top Assembly "A1" at 29.664,100.873 h0.51 r180
J5B: Top Assembly "A12" at 61.879,100.873 h0.51 r180; Top Assembly "B1" at 61.752,103.285 h0.51 r180; Top Assembly "B12" at 68.97,103.168 h0.51 r180; Top Assembly "A1" at 68.864,100.873 h0.51 r180
J5C: Top Assembly "A12" at 101.079,100.873 h0.51 r180; Top Assembly "B1" at 100.952,103.284 h0.51 r180; Top Assembly "B12" at 108.17,103.168 h0.51 r180; Top Assembly "A1" at 108.064,100.873 h0.51 r180
S5: Top Overlay "ON" at 30.935,42.523 h0.76 r90
S6: Top Overlay "ON" at 78.352,58.515 h0.76 r90